# Altium PCB Carte_Batterie PAMI 2024.PcbDoc
Units mm, origin at the board's own origin, x right, y up, seen from the top; angles counter-clockwise.
Board outline 52 x 67 mm, 2 copper layers (Component Side, Solder Side), stack 1.57 mm thick; 87 components, 37 nets, 229 pads, 173 vias.
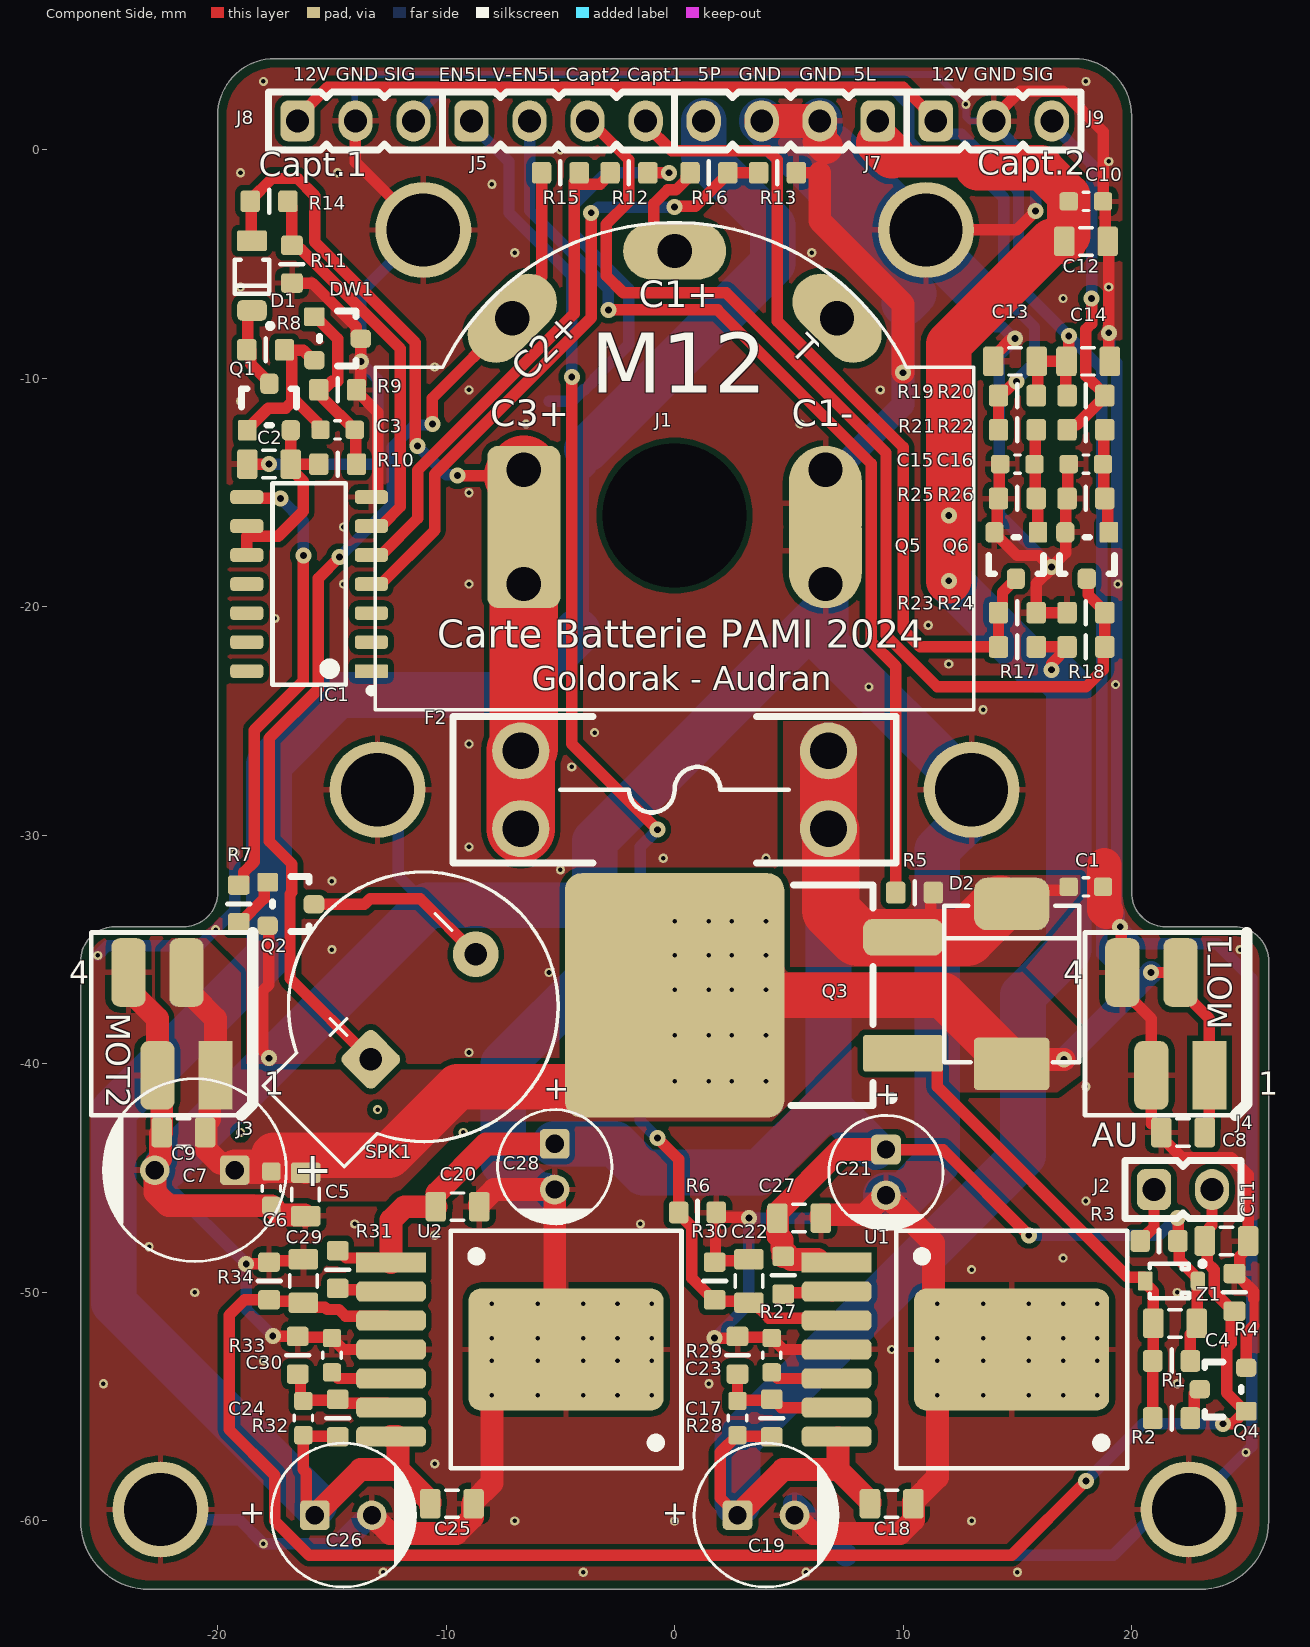
[diagram p0: Component Side view]
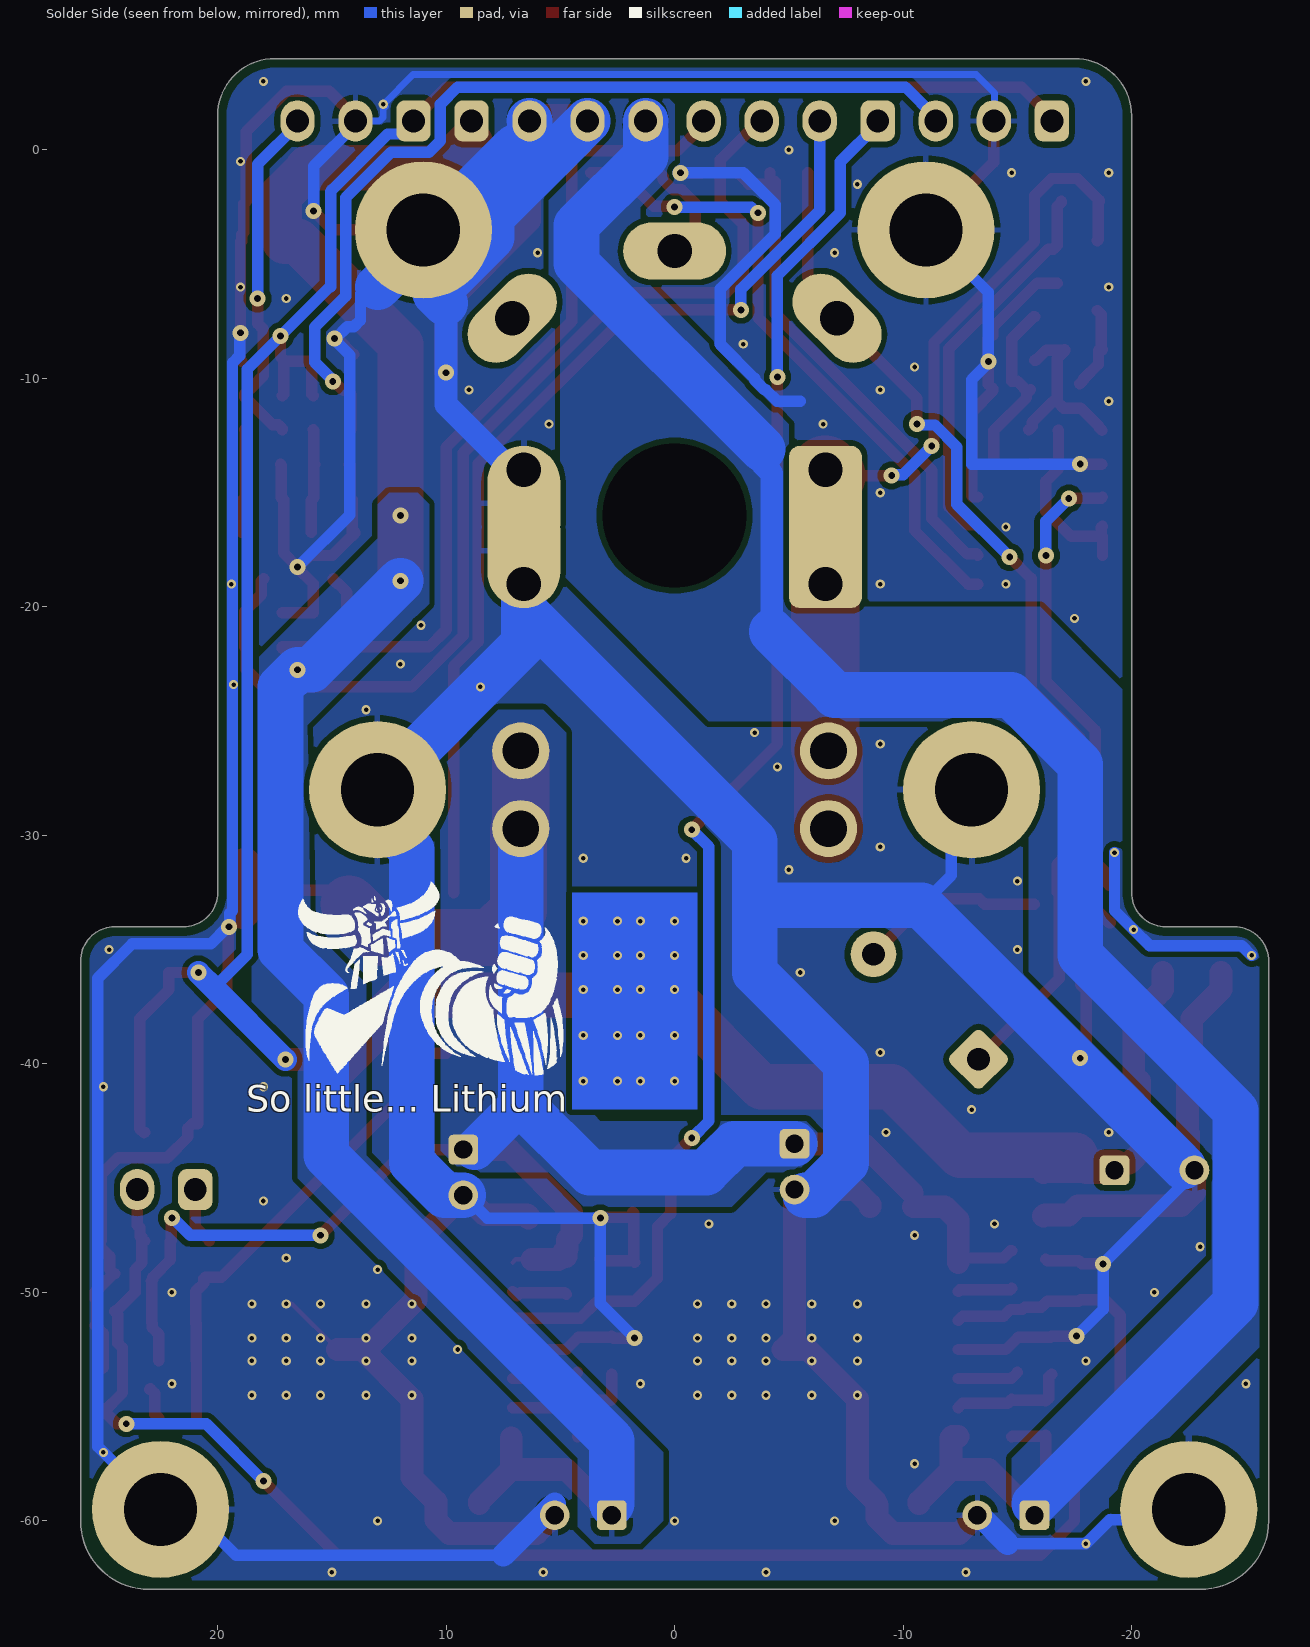
[diagram p1: Solder Side view, seen from below]

## Layer stack, top to bottom
Top Solder: solder mask 0.01, Solder Resist, Dk 3.5
Component Side: signal copper 0.035
Dielectric 1: core 1.5, FR-4, Dk 4.8
Solder Side: signal copper 0.035
Bottom Solder: solder mask 0.01, Solder Resist, Dk 3.5

## Board outline
-26,-60 -26,-35.5 cw(c-24.5,-35.5) -24.5,-34 -21.5,-34 ccw(c-21.5,-32.5) -20,-32.5 -20,1.5 cw(c-17.5,1.5) -17.5,4 17.5,4 cw(c17.5,1.5) 20,1.5 20,-32.5 ccw(c21.5,-32.5) 21.5,-34 24.5,-34 cw(c24.5,-35.5) 26,-35.5 26,-60 cw(c23,-60) 23,-63 -23,-63 cw(c-23,-60)

## Design rules (kind name [scope] priority, off if disabled: settings)
AssemblyTestPointUsage [All] p1 off:
AssemblyTestpoint [All] p1 off: testpointundercomponent=TRUE minsize=1.016 maxsize=2.54 preferedsize=1.524 minholesize=0 maxholesize=1.016 preferedholesize=0.813 testpointgrid=0.025 usegrid=TRUE gridtolerance=0 allowsidetop=TRUE allowsidebottom=TRUE
BoardOutlineClearance BoardOutlineClearance-Silk [All - OnSilkscreen] p1: gap=0.4 ignorepadtopadclearanceinfootprint=FALSE
BoardOutlineClearance BoardOutlineClearance_all [All] p2 off: gap=0.4 ignorepadtopadclearanceinfootprint=FALSE
Clearance Clearance_polygon [InPolygon] p1: gap=0.25 ignorepadtopadclearanceinfootprint=FALSE
Clearance Clearance_for_power_net [InNetClass('Power') vs InNet('GND')] p2: gap=0.2 ignorepadtopadclearanceinfootprint=TRUE except(0: Arc-Hole Track-Hole SMDPad-Hole THPad-Hole Via-Hole Fill-Hole Poly-Hole Region-Hole Text-Hole)
Clearance Clearance_general [All] p3: gap=0.15 ignorepadtopadclearanceinfootprint=FALSE
ComponentClearance [All] p1: gap=0 collisioncheckmode=3 verticalgap=0 showdistances=FALSE
DiffPairsRouting [All] p1 off: maxlimit=0.254 minlimit=0.127 mostfreqgap=0.254 toplayer_minwidth=0.381 toplayer_maxwidth=0.381 toplayer_prefwidth=0.381 bottomlayer_minwidth=0.381 bottomlayer_maxwidth=0.381 bottomlayer_prefwidth=0.381 maxuncoupledlength=12.7
FabricationTestPointUsage TestPointUsage [All] p1 off: valid=0 allowmultiple=FALSE
FabricationTestpoint Testpoint [All] p1 off: side=3 testpointundercomponent=TRUE minsize=1.016 maxsize=2.54 preferedsize=1.524 minholesize=0 maxholesize=1.016 preferedholesize=0.813 testpointgrid=0.025 allowsidetop=TRUE allowsidebottom=TRUE usegrid=TRUE gridtolerance=0
FanoutControl Fanout_BGA [IsBGA] p1 off: bgadir=Out bgaviamode=Centered fanoutstyle=Auto fanoutdirection=Alternating viagrid=0.025 // Fanout_BGA (Default Rule)
FanoutControl Fanout_LCC [IsLCC] p2 off: bgadir=Out bgaviamode=Centered fanoutstyle=Auto fanoutdirection=Alternating viagrid=0.025 // Fanout_LCC (Default Rule)
FanoutControl Fanout_SOIC [IsSOIC] p3 off: bgadir=Out bgaviamode=Centered fanoutstyle=Auto fanoutdirection=Alternating viagrid=0.025 // Fanout_SOIC (Default Rule)
FanoutControl Fanout_Small [(CompPinCount < 5)] p4 off: bgadir=Out bgaviamode=Centered fanoutstyle=Auto fanoutdirection=OutThenIn viagrid=0.025 // Fanout_Small (Default Rule)
FanoutControl Fanout_Default [All] p5 off: bgadir=Out bgaviamode=Centered fanoutstyle=Auto fanoutdirection=Alternating viagrid=0.025 // Fanout_Default (Default Rule)
Height [All] p1: minheight=0 maxheight=50 prefheight=10
HoleSize [All] p1: absolutevalues=TRUE maxlimit=6.3 minlimit=0.2 maxpercent=80.000 minpercent=20.000
HoleToHoleClearance [All] p1: gap=0.4 allowstackedmicrovias=TRUE
MinimumAnnularRing [All] p1: minimumring=0.076
MinimumSolderMaskSliver [All] p1: minsoldermaskwidth=0.15
MinimumSolderMaskSliver SilkscreenOverComponentPads [All] p2 off: minsoldermaskwidth=0.254
NetAntennae [All] p1 off: netantennaetolerance=0
PlaneClearance [All] p1: clearance=0.5
PlaneConnect [All] p1: planeconnectstyle=Relief reliefexpansion=0.4 reliefentries=4 reliefconductorwidth=0.3 reliefairgap=0.2
PolygonConnect PolygonConnect_Via_Power [InNetClass('PWR_20A') OR InNetClass('PWR_35A')] p1: connectstyle=Direct reliefconductorwidth=0.25 reliefentries=4 polygonreliefangle="90 Angle" airgapwidth=0.254
PolygonConnect [All] p2: thpad.connectstyle=Relief thpad.reliefconductorwidth=0.25 thpad.reliefentries=4 thpad.polygonreliefangle="90 Angle" thpad.airgapwidth=0.254 smdpad.connectstyle=Relief smdpad.reliefconductorwidth=0.25 smdpad.reliefentries=4 smdpad.polygonreliefangle="90 Angle" smdpad.airgapwidth=0.254 via.connectstyle=Direct via.reliefconductorwidth=0.25 via.reliefentries=4 via.polygonreliefangle="90 Angle" via.airgapwidth=0.254
PolygonConnect PolygonConnect_Via_GND [All vs InNet('GND')] p3: connectstyle=Direct reliefconductorwidth=0.25 reliefentries=4 polygonreliefangle="90 Angle" airgapwidth=0.254
RoomDefinition DC5P [InComponentClass('DC5P')] p1 off: confinementstyle=ConfineIn formatcopy=TRUE lockcomponents=FALSE outline 116.25,-9.25 195.5,-9.25 195.5,8.25 116.25,8.25
RoomDefinition DC5L [InComponentClass('DC5L')] p2 off: confinementstyle=ConfineIn formatcopy=TRUE lockcomponents=FALSE outline 116.25,-28 195.5,-28 195.5,-10.5 116.25,-10.5
RoomDefinition "Carte_Batterie PAMI 2024" [InComponentClass('Carte_Batterie PAMI 2024')] p3 off: confinementstyle=ConfineIn formatcopy=TRUE lockcomponents=FALSE outline 116,-44.25 292.249,-44.25 292.249,-29.25 116,-29.25
RoomDefinition LS3 [InComponentClass('LS3')] p4 off: confinementstyle=ConfineIn formatcopy=TRUE lockcomponents=FALSE outline 14.5,-23.2 33.6,-23.2 33.6,0 14.5,0
RoutingCorners [All] p1: cornerstyle=45-Degree minsetback=1.5 maxsetback=2.54
RoutingVias [All] p1: holewidth=0.3 width=0.7 viastyle="Through Hole" minholewidth=0.3 minwidth=0.7 maxholewidth=0.3 maxwidth=1
SilkToSilkClearance [All] p1 off: silktosilkclearance=0.1
SolderMaskExpansion [All] p1: expansion=0.075 istentingtop=FALSE
Width [All] p1: maxlimit=15 minlimit=0.127 preferedwidth=0.2
10 further rules are at their usual default settings.

## Classes and differential pairs
channel class PWR_5V_3A: DC5L DC5P
component class DC5P: C24 C25 C26 C27 C28 C29 C30 R31 R32 R33 R34 U2
component class DC5L: C17 C18 C19 C20 C21 C22 C23 R27 R28 R29 R30 U1
net class PWR_35A: Batt12_P3 VBATT12 VBATT12_F
component class LS3: C2 C3 D1 DW1 IC1 Q1 Q2 R7 R8 R9 R10 R11 R12 R13 R14 R15 R16 SPK1
component class "Carte_Batterie PAMI 2024": C1 C4 C5 C6 C7 C8 C9 C10 C11 C12 C13 C14 C15 C16 D2 F1 F2 F3 J1 J2 J3 J4 J5 J7 J8 J9 Q3 Q4 Q5 Q6 R1 R2 R3 R4 R5 R6 R17 R18 R19 R20 R21 R22 R23 R24 R25 R26 Z1

## Components (designator, comment, footprint, x,y, rotation, side; value= is the part's Value field where it differs from the comment)
C1 "100nF" "WCAP-CSGP_0603, 1.6x0.8x0.8" 18,-32.25 r180 top (schematic designator C6)
C2 "recup_C2" "WCAP-CSGP_0805, 2x1.25x1.25" -17.75,-13.75 r0 top value=10uF
C3 "recup_C3" "WCAP-CSGP_0603, 1.6x0.8x0.8" -14.75,-12.25 r0 top value=10nF
C4 "1uF" "WCAP-CSGP_0805, 2x1.25x1.25" 21.904,-51.354 r0 top (schematic designator C7)
C5 "1uF" "WCAP-CSGP_0805, 2x1.25x1.25" -16.15,-45.71 r90 top (schematic designator C8)
C6 "100nF" "WCAP-CSGP_0603, 1.6x0.8x0.8" -17.65,-45.46 r90 top (schematic designator C9)
C7 "470 uF" WCAP-ATG8_8x11.5x3.5x0.5 -21,-44.65 r0 top (schematic designator C1)
C8 "1uF" "WCAP-CSGP_0805, 2x1.25x1.25" 22.25,-43 r0 top (schematic designator C4)
C9 "1uF" "WCAP-CSGP_0805, 2x1.25x1.25" -21.5,-43 r0 top (schematic designator C5)
C10 "100nF" "WCAP-CSGP_0603, 1.6x0.8x0.8" 18,-2.25 r180 top (schematic designator C11)
C11 "10uF" "WCAP-CSGP_0805, 2x1.25x1.25" 24.15,-47.75 r180 top (schematic designator C10)
C12 "10uF" "WCAP-CSGP_0805, 2x1.25x1.25" 18,-4 r180 top
C13 "1uF" "WCAP-CSGP_0805, 2x1.25x1.25" 14.9,-9.25 r0 top
C14 "1uF" "WCAP-CSGP_0805, 2x1.25x1.25" 18.1,-9.25 r180 top
C15 "100nF" "WCAP-CSGP_0603, 1.6x0.8x0.8" 15,-13.75 r180 top
C16 "100nF" "WCAP-CSGP_0603, 1.6x0.8x0.8" 18,-13.75 r180 top
C17 "100nF" "WCAP-CSGP_0603, 1.6x0.8x0.8" 2.75,-55.5 r270 top (schematic designator C1)
C18 "1uF" "WCAP-CSGP_0805, 2x1.25x1.25" 9.5,-59.25 r180 top (schematic designator C2)
C19 "220 uF" WCAP-ATG8_6.3x11x2.5x0.5 4,-59.75 r180 top (schematic designator C3)
C20 "1uF" "WCAP-CSGP_0805, 2x1.25x1.25" -9.5,-46.25 r180 top (schematic designator C4)
C21 "10 uF" WCAP-ATG8_5x11x2x0.5 9.25,-44.75 r90 top (schematic designator C5)
C22 "1uF" "WCAP-CSGP_0805, 2x1.25x1.25" 3.25,-49.5 r270 top (schematic designator C6)
C23 "4.7nF" "WCAP-CSGP_0603, 1.6x0.8x0.8" 4.25,-52.75 r270 top (schematic designator C7)
C24 "100nF" "WCAP-CSGP_0603, 1.6x0.8x0.8" -16.25,-55.5 r270 top (schematic designator C1)
C25 "1uF" "WCAP-CSGP_0805, 2x1.25x1.25" -9.75,-59.25 r180 top (schematic designator C2)
C26 "220 uF" WCAP-ATG8_6.3x11x2.5x0.5 -14.5,-59.75 r180 top (schematic designator C3)
C27 "1uF" "WCAP-CSGP_0805, 2x1.25x1.25" 5.45,-46.75 r180 top (schematic designator C4)
C28 "10 uF" WCAP-ATG8_5x11x2x0.5 -5.25,-44.5 r90 top (schematic designator C5)
C29 "1uF" "WCAP-CSGP_0805, 2x1.25x1.25" -16.25,-49.5 r270 top (schematic designator C6)
C30 "4.7nF" "WCAP-CSGP_0603, 1.6x0.8x0.8" -15,-52.75 r270 top (schematic designator C7)
D1 "recup_D1" SOD-123FL -18.5,-5.5 r270 top value=40V
D2 "RS3J R6" "SMC, DO-214AB" 14.75,-36.5 r270 top value=600V
DW1 "recup_DW1" SOT-23 -14.75,-8.25 r270 top
F2 "3557-2" 3557-2 0,-28 r0 top locked value=na (schematic designator F4)
IC1 "ASIC_LipoSaver" SOIC127P600X175-14N -16,-19 r180 top
J1 "custom connector" CONN_BATT-M12 0,-25.5 r0 top locked (schematic designator J3)
J2 "22-03-2021" Conn_22-03-2021 22.25,-45.5 r180 top (schematic designator J4)
J3 "690367280476" 690367280476 -22,-38.25 r0 top value=4 (schematic designator J1)
J4 "690367280476" 690367280476 21.5,-38.25 r0 top value=4 (schematic designator J2)
J5 "22-03-2041" Conn_22-03-2041 -5.08,1.27 r180 top (schematic designator J6)
J7 "22-03-2041" Conn_22-03-2041 5.08,1.27 r0 top
J8 "22-03-2031" Conn_22-03-2031 -13.97,1.27 r180 top
J9 "22-03-2031" Conn_22-03-2031 13.97,1.27 r180 top
Q1 "recup_T1" SOT-23 -17.75,-11.25 r0 top
Q2 "recup_T2" SOT-23 -16.8,-33 r270 top
Q3 "SQM120P06-07L_GE3" "TO263AB, D2PAK" 5,-37 r90 top
Q4 "2N7002" SOT-23 24,-54.25 r90 top
Q5 "2N7002" SOT-23 14.95,-17.75 r180 top
Q6 "2N7002" SOT-23 18.05,-17.75 r180 top
R1 "RC0603FR-07100KL" RESC1608X06N 21.75,-53 r0 top value=100k (schematic designator R6)
R2 "RC0603FR-0710KL" RESC1608X06N 21.75,-55.5 r180 top value=10k (schematic designator R7)
R3 "RC0603FR-07100KL" RESC1608X06N 21.2,-47.75 r180 top value=100k (schematic designator R5)
R4 "RC0603FR-07100KL" RESC1608X06N 24.5,-50 r270 top value=100k (schematic designator R8)
R5 "RC0603FR-07100KL" RESC1608X06N 10.5,-32.5 r180 top value=100k (schematic designator R1)
R6 "RC0603FR-07100KL" RESC1608X06N 1,-46.5 r180 top value=100k (schematic designator R2)
R7 "RC0603FR-07100KL" RESC1608X06N -19.075,-33 r270 top value=510
R8 "RC0603FR-07100KL" RESC1608X06N -17.9,-8.75 r0 top value=3.3k
R9 "RC0603FR-07100KL" RESC1608X06N -14.75,-10.5 r0 top value=12k
R10 "RC0603FR-07100KL" RESC1608X06N -14.75,-13.75 r180 top value=12k
R11 "RC0603FR-07100KL" RESC1608X06N -16.75,-5 r90 top value=12k
R12 "RC0603FR-07100KL" RESC1608X06N -2,-1 r180 top value=12k
R13 "RC0603FR-07100KL" RESC1608X06N 4.5,-1 r180 top value=12k
R14 "RC0603FR-07100KL" RESC1608X06N -17.75,-2.25 r180 top value=24k
R15 "RC0603FR-07100KL" RESC1608X06N -5,-1 r180 top value=24k
R16 "RC0603FR-07100KL" RESC1608X06N 1.5,-1 r180 top value=24k
R17 "RC0603FR-0710KL" RESC1608X06N 15,-21.75 r0 top value=10k (schematic designator R3)
R18 "RC0603FR-0710KL" RESC1608X06N 18,-21.75 r180 top value=10k (schematic designator R4)
R19 "RC0603FR-0710KL" RESC1608X06N 15,-10.75 r0 top value=10k (schematic designator R17)
R20 "RC0603FR-0710KL" RESC1608X06N 18,-10.75 r180 top value=10k (schematic designator R18)
R21 "RC0603FR-0710KL" RESC1608X06N 15,-12.25 r0 top value=10k (schematic designator R19)
R22 "RC0603FR-0710KL" RESC1608X06N 18,-12.25 r0 top value=10k (schematic designator R20)
R23 "RC0603FR-0710KL" RESC1608X06N 15,-20.25 r180 top value=10k (schematic designator R21)
R24 "RC0603FR-0710KL" RESC1608X06N 18,-20.25 r0 top value=10k (schematic designator R22)
R25 "RC0603FR-0710KL" RESC1608X06N 15,-15.25 r0 top value=10k (schematic designator R23)
R26 "RC0603FR-0710KL" RESC1608X06N 18,-15.25 r0 top value=10k (schematic designator R24)
R27 "RC0603FR-07100KL" RESC1608X06N 4.75,-49.25 r90 top value=100k (schematic designator R1)
R28 "RC0603FR-0710KL" RESC1608X06N 4.25,-55.5 r270 top value=53.6k (schematic designator R2)
R29 "RC0603FR-0710KL" RESC1608X06N 2.75,-52.75 r270 top value=10k (schematic designator R3)
R30 "RC0603FR-07100KL" RESC1608X06N 1.75,-49.5 r270 top value=100k (schematic designator R4)
R31 "RC0603FR-07100KL" RESC1608X06N -14.75,-49 r90 top value=100k (schematic designator R1)
R32 "RC0603FR-0710KL" RESC1608X06N -14.75,-55.5 r270 top value=53.6k (schematic designator R2)
R33 "RC0603FR-0710KL" RESC1608X06N -16.5,-52.75 r270 top value=10k (schematic designator R3)
R34 "RC0603FR-07100KL" RESC1608X06N -17.75,-49.5 r270 top value=100k (schematic designator R4)
SPK1 "recup_SPK1" BUZZER_LipoSaver -11,-37.5 r135 top
U1 "171032401" WPME-VDRM_TO263-7EP 14.75,-52.5 r0 top
U2 "171032401" WPME-VDRM_TO263-7EP -4.75,-52.5 r0 top (schematic designator U1)
Z1 "MM3Z15VST1G" SOD-323 21.75,-49.5 r0 top value=14.6V (schematic designator Z2)

## Footprints (in the part's own frame and the unit in brackets; to place one, negate y for a bottom-side part, rotate by r counter-clockwise, add the part's x,y. Pads: shape width x height; smd on the part's side, far side on the other; paste and mask are expansions set on the pad)
3557-2 [mm] "Fuse holder"
  round 2.5 hole 1.6: 1(-6.735,1.7) 2(6.735,1.7) 3(-6.735,-1.7) 4(6.735,-1.7)
  silkscreen extent -9.7,-3.2 9.7,3.2, body extent -9.91,-3.38 9.91,3.36, height 7.39
690367280476 [mm] "4 pins, SMT, straight, without Latch"
  rect 1.5x3 smd: 1(1.905,-2.25)
  rrect50% 1.5x3 smd: 2(0.635,2.25) 3(-0.635,-2.25) 4(-1.905,2.25)
  silkscreen extent -3.54,-4 3.54,4, body extent -3.54,-5 3.54,3.5, height 5.7
BUZZER_LipoSaver [mm] "Buzzer extrait de la carte LipoSaver"
  rrect30% 2x2 hole 1: 1(0,3.25)
  round 2 hole 1: 2(0,-3.25)
  silkscreen extent -5.9,-5.9 5.9,7.4, body extent -6,-6 6,7.4, height 7.5
Conn_22-03-2021 [mm]
  rrect50% 1.5x1.8 hole 1: 1(1.27,0)
  oval 1.5x1.8 hole 1: 2(-1.27,0)
  silkscreen extent -2.54,-1.27 2.54,1.27, body extent -2.54,-1.27 2.54,1.27, height 11.6
Conn_22-03-2031 [mm]
  rrect50% 1.5x1.8 hole 1: 1(2.54,0)
  oval 1.5x1.8 hole 1: 2(0,0) 3(-2.54,0)
  silkscreen extent -3.81,-1.27 3.81,1.27, body extent -3.81,-1.27 3.81,1.27, height 11.6
Conn_22-03-2041 [mm]
  rrect50% 1.5x1.8 hole 1: 1(3.81,0)
  oval 1.5x1.8 hole 1: 2(1.27,0) 3(-1.27,0) 4(-3.81,0)
  silkscreen extent -5.08,-1.27 5.08,1.27, body extent -5.08,-1.27 5.08,1.27, height 11.6
CONN_BATT-M12 [mm] "Batterie connector for Milwaukee M12, use 2x RS 125-2006 and 3x RS 125-2000"
  rrect30% 3.2x5 hole 1.5 copper offset 0,1.45: 1(-6.6,6.5)
  rrect30% 3.2x5 hole 1.5 copper offset 0,-1.45: 1(-6.6,11.5)
  rrect100% 2.5x4.5 hole 1.5 rot 135: 2(-7.106,18.134)
  oval 4.5x2.5 hole 1.5: 3(0,21.077)
  oval 2.5x4.5 hole 1.5 rot 45: 4(7.106,18.134)
  rrect100% 3.2x5 hole 1.5 copper offset 0,1.45: 5(6.6,6.5)
  rrect100% 3.2x5 hole 1.5 copper offset 0,-1.45: 5(6.6,11.5)
  silkscreen extent -13.1,1 13.1,22.32, body extent -8.81,5.12 8.81,21.49, height 9.45
RESC1608X06N [mm] "Chip Resistor, 2-Leads, Body 1,6x0,8mm, IPC Medium Density"
  rrect30% 0.85x0.95 smd: 1(-0.825,0) 2(0.825,0)
  silkscreen extent 0,-0.5 0,0.5, body extent -0.78,-0.43 0.78,0.43, height 0.45
"SMC, DO-214AB" [mm] "WE-TVSP Power TVS Diode, DO-214AB, Unidirectional"
  rrect15% 2.3x3.3 smd: 1(3.5,0)
  rrect50% 2.3x3.3 smd: 2(-3.5,0)
  silkscreen extent -3.43,-2.95 3.43,2.95, body extent -3.97,-2.95 3.97,2.95, height 2.5
SOD-123FL [mm] "SOD-123FL"
  rrect15% 0.9x1.3 smd: 1(-1.525,0)
  rrect50% 0.9x1.3 smd: 2(1.525,0)
  silkscreen extent -0.7,-0.75 2.3,0.9, body extent -1.8,-0.83 1.8,0.82, height 0.95
SOD-323 [mm] "SOD-323/SC-76; 2 Leads; Body 1.7 x 1.3 mm, (LxW)"
  rrect15% 0.63x0.83 smd: 1(-1.15,0)
  rrect50% 0.63x0.83 smd: 2(1.15,0)
  silkscreen extent -0.95,-0.75 1.45,0.85, body extent -1.35,-0.63 1.35,0.62, height 1.1
SOIC127P600X175-14N [mm] "SOIC, 14-Leads, Body 8,62x3,90mm, Pitch 1,27mm, IPC Medium Density"
  rrect15% 1.45x0.6 smd: 1(-2.725,3.81)
  rrect50% 1.45x0.6 smd: 2(-2.725,2.54) 3(-2.725,1.27) 4(-2.725,0) 5(-2.725,-1.27) 6(-2.725,-2.54) 7(-2.725,-3.81) 8(2.725,-3.81) 9(2.725,-2.54) 10(2.725,-1.27) 11(2.725,0) 12(2.725,1.27) 13(2.725,2.54) 14(2.725,3.81)
  silkscreen extent -2.85,-4.4 1.6,4.78, body extent -3,-4.44 3,4.45, height 1.7
SOT-23 [mm]
  rrect15% 0.8x0.9 smd: 1(-0.952,-1.016)
  rrect50% 0.8x0.9 smd: 2(0.953,-1.016) 3(0.013,1.016)
  silkscreen extent -1.2,-0.8 1.2,0.8, body extent -1.5,-1.13 1.5,1.13, height 1.22
"TO263AB, D2PAK" [mm]
  rrect15% 1.6x3.5 smd: 1(-2.54,-5)
  rrect50% 1.6x3.5 smd: 3(2.54,-5)
  rrect15% 10.7x9.6 smd: 4(0,5)
  silkscreen extent -4.83,-4.63 4.83,-0.1, body extent -5.05,-6.64 4.95,9.25, height 4.3
WCAP-ATG8_5x11x2x0.5 [mm] "Polarized capacitors, Aluminum Electrolytic Capacitors, 2-Leads, Body 5x11x2x0.5"
  rrect30% 1.3x1.3 hole 0.8: 1(1,0)
  round 1.3 hole 0.8: 2(-1,0)
  silkscreen extent -2.51,-2.5 2.5,2.5, body extent -2.49,-2.5 2.48,2.49, height 11.11
WCAP-ATG8_6.3x11x2.5x0.5 [mm] "Polarized capacitors, Aluminum Electrolytic Capacitors, 2-Leads, Body 6.3x11x2.5x0.5"